# Altium PCB EVB-ANNA-B5x5_Certifi.PcbDoc (part 2 of 6) (continued)
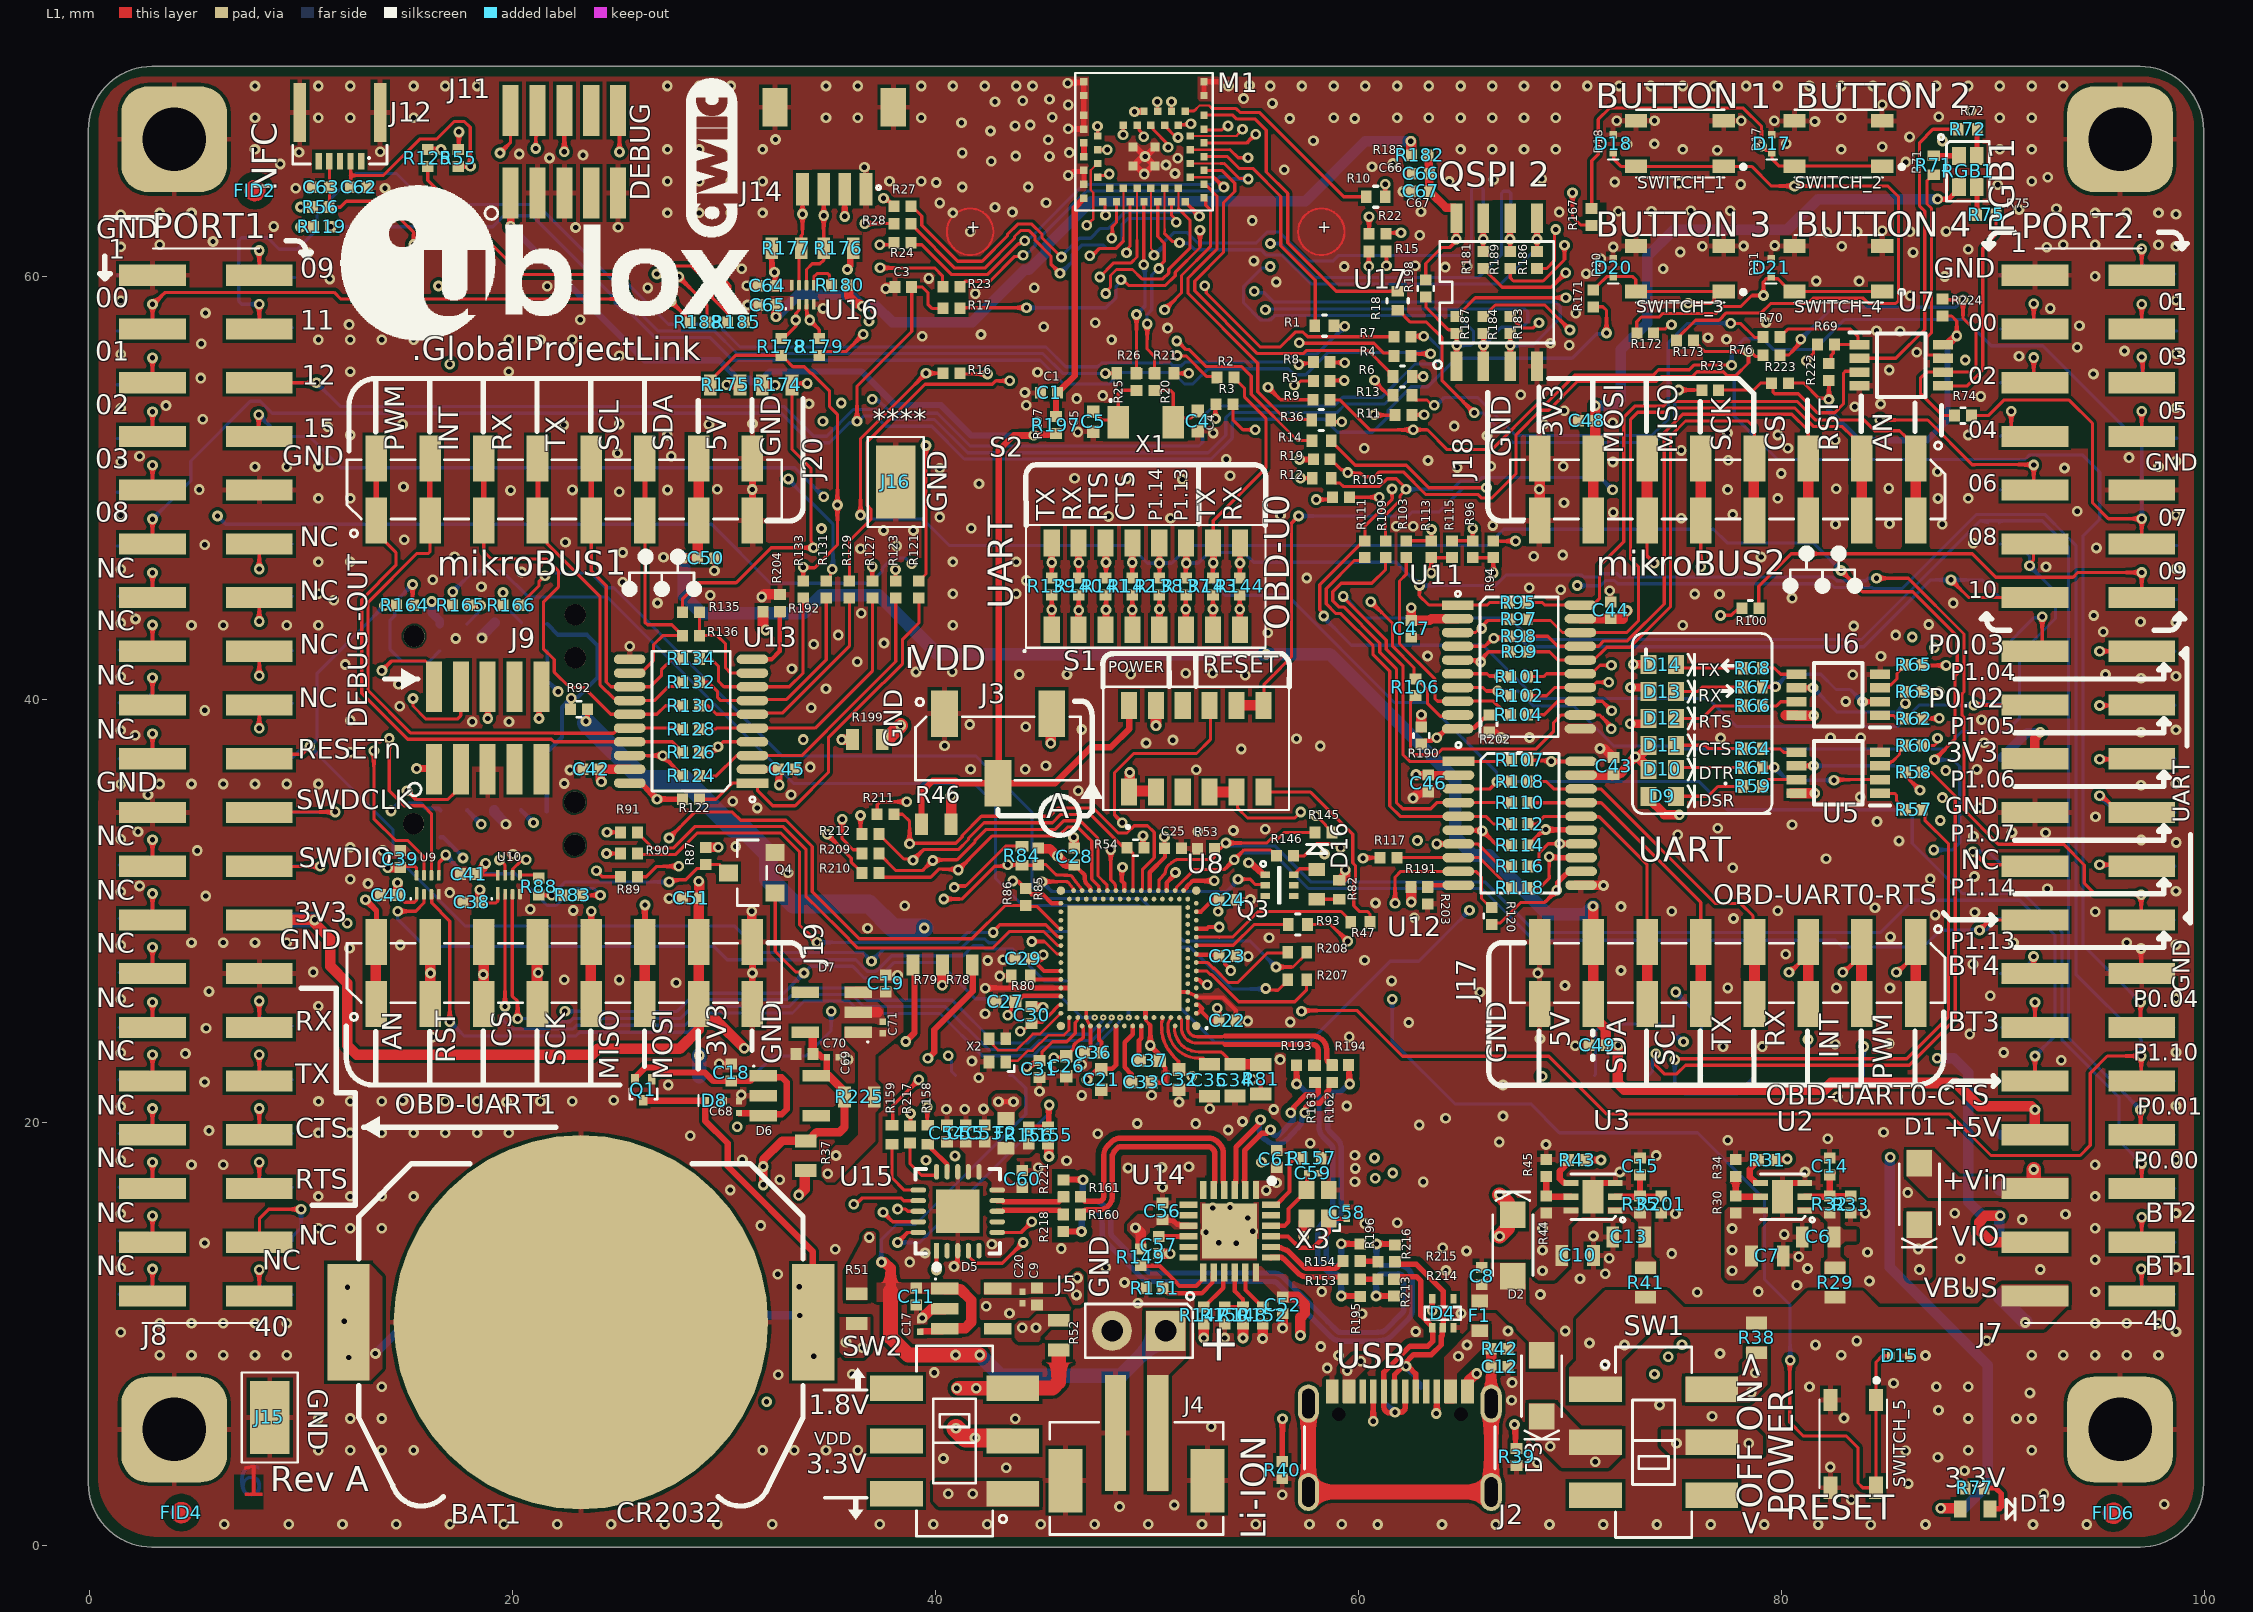
[diagram p0: L1 view]
## Part data (continued)
Q3: "DUAL N-CHANNEL SMALL SIGNAL MOSFET SOT-563-6 PACKAGE", Manufacturer="ON Semiconductor", Manufacturer P/N=NTZD3154NT, Max Operating Temp=155°C, Min Operating Temp=-55°C, Editor=pierpaolo.arban, Env=ROHS, Mfg P/N Datasheet=https://wiki.u-blox.com/bin/view/Generic/Docs/DocumentSummary?index=37718, Mfg P/N Released=Yes, Mfg P/N Split=100, Mfg P/N Status=Active, Part Number=UBXH20-0000083, Part Type=Transistor, Perferred=PREF, Permitted Use="Support Products", RefDes=Q, Release Data=2023-01-26T11:57:34, Released by=matej.budin, UBX Wiki=https://wiki.u-blox.com/bin/view/Operations/PartDetails?index=37715
Q4: "N-CHANNEL 25V HEXFET SOT23 25V 5.8A", Manufacturer="IR International Rectifier", Manufacturer P/N=IRFML8244TRPBF, Max Current=5.8A, Max Operating Temp=125°C, Max Voltage=25V, Min Operating Temp=-55°C, Editor=martin.kessel, Env=ROHS, Mfg P/N Datasheet=https://wiki.u-blox.com/bin/view/Generic/Docs/DocumentSummary?index=20559, Mfg P/N Released=No, Mfg P/N Split=100, Mfg P/N Status=Active, Part Number=UBXH20-0000036, Part Type=Transistor, Perferred=PREF, Permitted Use="Internal Use", RefDes=Q, UBX Wiki=https://wiki.u-blox.com/bin/view/Operations/PartDetails?index=20556
R1 R6: "RES THICK FILM CHIP 0402 330R 5% 63mW", Case/Package=0x0y, Manufacturer=KOA, Manufacturer P/N=RK73B1ETTP331J, Max Operating Temp=125°C, Max Power=63mW, Min Operating Temp=-55°C, Tolerance=5%, Editor=daniel.hurni, Env=ROHS, Mfg P/N Datasheet=https://wiki.u-blox.com/bin/view/Generic/Docs/DocumentSummary?index=4543, Mfg P/N Released=Yes, Mfg P/N Split=100, Mfg P/N Status=Active, Part Number=UBXH18-0008037, Part Type=Resistor, Perferred=PREF, Permitted Use="Volume Products", RefDes=R, Release Data=2009-12-01T17:14:36, Released by=doris.zahnd, Size=0402, UBX Wiki=https://wiki.u-blox.com/bin/view/Operations/PartDetails?index=6922
R2 R3 R4 R5 R7 R8 R9 R11 R15 R16 R17 R19 R22 R23 R24 R27 R28 R30 R32 R44 R45 R55 R56 R57 R58 R60 R62 R63 R65 R69 R70 R73 R74 R76 R83 R88 R89 R90 R91 R92 R94 R95 R96 R97 R98 R99 R100 R101 R102 R103 R104 R105 R106 R107 R108 R109 R110 R111 R112 R113 R114 R115 R116 R117 R118 R119 R120 R121 R122 R123 R124 R125 R126 R127 R128 R129 R130 R131 R132 R133 R134 R135 R136 R155 R156 R162 R163 R164 R165 R166 R167 R171 R172 R173 R178 R179 R180 R181 R183 R184 R185 R186 R187 R188 R189 R190 R191 R192 R197 R201 R202 R203 R204 R217: "RES THICK FILM CHIP 0402 0R 0 100mW", Manufacturer=KOA, Manufacturer 2=YAGEO, Manufacturer P/N=RK73Z1ETTP, Manufacturer P/N 2=2322_705_91001_L, Max Power=100mW, Tolerance=0, Editor=charlotte.biber, Env=ROHS, Mfg P/N Released=Yes, Mfg P/N Released 2=Yes, Mfg P/N Split=100, Mfg P/N Split 2=0, Mfg P/N Status=NRND, Mfg P/N Status 2=NRND, Part Number=UBXH18-0003002, Part Type=Resistor, Perferred=PREF, Permitted Use="Volume Products", RefDes=R, Release Data="2012-06-05 09:49:55.978616", Released by=peter.mueller, Size=0402, UBX Wiki=https://wiki.u-blox.com/bin/view/Operations/PartDetails?index=6611
R10 R18: "RES THICK FILM CHIP 0402 330R 5% 63mW", Manufacturer=KOA, Manufacturer P/N=RK73B1ETTP331J, Max Operating Temp=125°C, Max Power=63mW, Min Operating Temp=-55°C, Tolerance=5%, Editor=daniel.hurni, Env=ROHS, Mfg P/N Datasheet=https://wiki.u-blox.com/bin/view/Generic/Docs/DocumentSummary?index=4543, Mfg P/N Released=Yes, Mfg P/N Split=100, Mfg P/N Status=Active, Part Number=UBXH18-0008037, Part Type=Resistor, Perferred=PREF, Permitted Use="Volume Products", RefDes=R, Release Data=2009-12-01T17:14:36, Released by=doris.zahnd, Size=0402, UBX Wiki=https://wiki.u-blox.com/bin/view/Operations/PartDetails?index=6922
R12 R13 R14 R20 R21 R25 R26 R33 R34 R35 R36 R137 R138 R139 R140 R141 R142 R143 R144 R145 R146 R153 R154 R160 R161 R182 R193 R194 R195 R196 R209 R210 R211 R212 R213 R214 R215 R216 R218 R221: "RES THICK FILM CHIP 0402 0R 0 100mW", Manufacturer=KOA, Manufacturer 2=YAGEO, Manufacturer P/N=RK73Z1ETTD, Manufacturer P/N 2=2322_705_91001_L, Max Power=100mW, Tolerance=0, Editor=charlotte.biber, Env=ROHS, Mfg P/N Released=Yes, Mfg P/N Released 2=Yes, Mfg P/N Split=100, Mfg P/N Split 2=0, Mfg P/N Status=NRND, Part Number=UBXH18-0003002, Part Type=Resistor, Perferred=PREF, Permitted Use="Volume Products", RefDes=R, Released by=peter.mueller, Size=0402, UBX Wiki=https://wiki.u-blox.com/bin/view/Operations/PartDetails?index=6611
  R12 R13 R14 R21 R26 R33 R34 R35 R36: Mfg P/N Status 2=Obsolete, Release Data=2012-06-05T09:49:55
  R20 R25 R137 R138 R139 R140 R141 R142 R143 R144 R145 R146 R153 R154 R160 R161 R182 R193 R194 R195 R196 R209 R210 R211 R212 R213 R214 R215 R216 R218 R221: Mfg P/N Status 2=NRND, Release Data="2012-06-05 09:49:55.978616"
R29 R37 R38 R41 R46 R51 R52 R78 R79 R81 R225: "RES THICK FILM CHIP 0603 0R 0 100mW", Manufacturer=YAGEO, Manufacturer P/N=RC0603JR-070RL, Max Power=100mW, Tolerance=0, Editor=martin.frauchiger, Env=ROHS, Mfg P/N Released=Yes, Mfg P/N Split=100, Mfg P/N Status=Active, Part Number=UBXH18-0003001, Part Type=Resistor, Perferred=PREF, Permitted Use="Volume Products", RefDes=R, Release Data=2005-07-14T10:55:51, Released by=martin.frauchiger, Size=0603, UBX Wiki=https://wiki.u-blox.com/bin/view/Operations/PartDetails?index=6609
R31 R53 R54 R198 R222 R223 R224: "RES THICK FILM CHIP 0402 100K 1% 63mW", Case/Package=0x0y, Manufacturer=KOA, Manufacturer 2=YAGEO, Manufacturer 3=ROHM, Manufacturer P/N=RK73H1ETTP1003F, Manufacturer P/N 2=RC0402FR-07100KL, Manufacturer P/N 3=MCR01MZPF1003, Max Power=63mW, Tolerance=1%, Editor=dario.antonaz, Env=ROHS, Mfg P/N Datasheet=https://wiki.u-blox.com/bin/view/Generic/Docs/DocumentSummary?index=8222, Mfg P/N Datasheet 2=https://wiki.u-blox.com/bin/view/Generic/Docs/DocumentSummary?index=29373, Mfg P/N Datasheet 3=https://wiki.u-blox.com/bin/view/Generic/Docs/DocumentSummary?index=8186, Mfg P/N Released=Yes, Mfg P/N Released 2=Yes, Mfg P/N Released 3=Yes, Mfg P/N Split=100, Mfg P/N Split 2=0, Mfg P/N Split 3=0, Mfg P/N Status=Active, Mfg P/N Status 2=Active, Mfg P/N Status 3=Obsolete, Part Number=UBXH18-0000005, Part Type=Resistor, Perferred=N/A, Permitted Use="Volume Products", RefDes=R, Release Data=2009-11-30T11:05:22, Released by=sandro.sestan, Size=0402, UBX Wiki=https://wiki.u-blox.com/bin/view/Operations/PartDetails?index=8114
R39 R40: "RES THICK FILM CHIP 0402 5K1 5% 100mW", Manufacturer=Panasonic, Manufacturer P/N=ERJ-2GEJ512X, Max Power=100mW, Tolerance=5%, Editor=alvaro.nussbaum, Env=ROHS, Mfg P/N Released=No, Mfg P/N Split=100, Mfg P/N Status=Active, Part Number=UBXH18-0008066, Part Type=Resistor, Perferred=NONPREF, Permitted Use="Internal Use", RefDes=R, Release Data=2016-02-11T15:22:01, Released by=roland.rust, Size=0402, UBX Wiki=https://wiki.u-blox.com/bin/view/Operations/PartDetails?index=6972
R42: "Resistor 10k ohm 1% 1/16W, 0402", Manufacturer 1="Samsung Electro-Mechanics America, Inc", Manufacturer 2="Hong Kong Resistors Manufactory", Manufacturer Part Number 1=RC1005F103CS, Manufacturer Part Number 2=RCT0210KFLF, Max Operating Temp=155, Min Operating Temp=-55, Part Name="RES SMD 10K OHM 1% 1/16W 0402", Power=1/16W, Supplier Part Number 1=1276-3431-1-ND, Tolerance="+/- 1%", Voltage=N/A, Height=0.4mm, Item Phase="In Production", Part Number=180-00024, Pins=2, Revision=0E, Size=0402, Supplier 1=Digi-Key, Supplier 2=None, Supplier Part Number 2=None, UBX Code=None, Use in new designs=Yes
R43 R85 R86 R87 R148 R149 R150 R151 R152: "RES THICK FILM CHIP 0402 100K 1% 63mW", Manufacturer=KOA, Manufacturer 2=ROHM, Manufacturer P/N=RK73H1ETTP1003F, Manufacturer P/N 2=MCR01MZPF1003, Max Power=63mW, Tolerance=1%, Editor=dario.antonaz, Env=ROHS, Mfg P/N Datasheet=https://wiki.u-blox.com/bin/view/Generic/Docs/DocumentSummary?index=8222, Mfg P/N Datasheet 2=https://wiki.u-blox.com/bin/view/Generic/Docs/DocumentSummary?index=8186, Mfg P/N Released=Yes, Mfg P/N Released 2=Yes, Mfg P/N Split=100, Mfg P/N Split 2=0, Mfg P/N Status=Active, Mfg P/N Status 2=Obsolete, Part Number=UBXH18-0000005, Part Type=Resistor, Perferred=N/A, Permitted Use="Volume Products", RefDes=R, Release Data=2009-11-30T11:05:22, Released by=sandro.sestan, Size=0402, UBX Wiki=https://wiki.u-blox.com/bin/view/Operations/PartDetails?index=8114
R47 R93 R207 R208: "RES THICK FILM CHIP 0402 150R 5% 63mW", Case/Package=0x0y, Manufacturer=KOA, Manufacturer P/N=RK73B1ETTP151J, Max Operating Temp=125°C, Max Power=63mW, Min Operating Temp=-55°C, Tolerance=5%, Editor=par.hakansson, Env=ROHS, Mfg P/N Datasheet=https://wiki.u-blox.com/bin/view/Generic/Docs/DocumentSummary?index=4543, Mfg P/N Released=Yes, Mfg P/N Split=100, Mfg P/N Status=Active, Part Number=UBXH18-0008029, Part Type=Resistor, Perferred=PREF, Permitted Use="Volume Products", RefDes=R, Release Data=2015-11-05T14:33:12, Released by=adam.johansson, Size=0402, UBX Wiki=https://wiki.u-blox.com/bin/view/Operations/PartDetails?index=6908
R59 R61 R64 R66 R67 R68 R72 R77: "RES THICK FILM CHIP 0402 470R 5% 100mW", Manufacturer=ROHM, Manufacturer 2=KOA, Manufacturer 3=YAGEO, Manufacturer P/N=MCR01MZPJ471, Manufacturer P/N 2=RK73B1ETTP471J, Manufacturer P/N 3=2322_705_87471_L, Max Power=100mW, Tolerance=5%, Editor=roland.rust, Env=ROHS, Mfg P/N Released=Yes, Mfg P/N Released 2=Yes, Mfg P/N Released 3=Yes, Mfg P/N Split=100, Mfg P/N Split 2=0, Mfg P/N Split 3=0, Mfg P/N Status=Obsolete, Mfg P/N Status 2=Active, Mfg P/N Status 3=Obsolete, Part Number=UBXH18-0008041, Part Type=Resistor, Perferred=PREF, Permitted Use="Volume Products", RefDes=R, Release Data=2009-04-24T14:36:39, Released by=roland.rust, Size=0402, UBX Wiki=https://wiki.u-blox.com/bin/view/Operations/PartDetails?index=6926
R71: "RES THICK FILM CHIP 0402 750R 5% 100mW", Manufacturer=Panasonic, Manufacturer P/N=ERJ2GEJ751X, Max Power=100mW, Tolerance=5%, Editor=jaka.bevk, Env=ROHS, Mfg P/N Datasheet=https://wiki.u-blox.com/bin/view/Generic/Docs/DocumentSummary?index=21267, Mfg P/N Released=Yes, Mfg P/N Split=100, Mfg P/N Status=Active, Part Number=UBXH18-0008046, Part Type=Resistor, Perferred=PREF, Permitted Use="Volume Products", RefDes=R, Release Data=2014-10-03T09:31:33, Released by=erian.bezhani, Size=0402, UBX Wiki=https://wiki.u-blox.com/bin/view/Operations/PartDetails?index=6935
R75: "RES THICK FILM CHIP 0402 360R 1% 63mW", Manufacturer=KOA, Manufacturer P/N=RK73H1ETTP3600F, Max Power=63mW, Tolerance=1%, Automotive=Yes, Editor=michael.hein, Env=ROHS, Mfg P/N Datasheet=https://wiki.u-blox.com/bin/view/Generic/Docs/DocumentSummary?index=8222, Mfg P/N Released=Yes, Mfg P/N Split=100, Mfg P/N Status=Active, Part Number=UBXH18-0000216, Part Type=Resistor, Perferred=PREF, Permitted Use="Volume Products", RefDes=R, Release Data=2015-10-02T11:55:45, Released by=vasyl.dykyy, Size=0402, UBX Wiki=https://wiki.u-blox.com/bin/view/Operations/PartDetails?index=23306
R80: "RES THICK FILM CHIP 0402 47R 5% 100mW", Manufacturer=YAGEO, Manufacturer P/N=2322_705_87479_L, Manufacturer P/N 2=RC0402JR-0747RL, Max Power=100mW, Tolerance=5%, Editor=roland.rust, Env=ROHS, Manufacturer 2=YAGEO, Mfg P/N Datasheet 2=https://wiki.u-blox.com/bin/view/Generic/Docs/DocumentSummary?index=8163, Mfg P/N Released=Yes, Mfg P/N Released 2=No, Mfg P/N Split=100, Mfg P/N Split 2=0, Mfg P/N Status=Obsolete, Mfg P/N Status 2=Active, Part Number=UBXH18-0008017, Part Type=Resistor, Perferred=PREF, Permitted Use="Volume Products", RefDes=R, Release Data=2007-01-03T17:15:04, Released by=roland.rust, Size=0402, UBX Wiki=https://wiki.u-blox.com/bin/view/Operations/PartDetails?index=6891
R82: "RES THICK FILM CHIP 0402 470R 5% 100mW", Manufacturer=KOA, Manufacturer 2=ROHM, Manufacturer 3=YAGEO, Manufacturer P/N=RK73B1ETTP471J, Manufacturer P/N 2=MCR01MZPJ471, Manufacturer P/N 3=2322_705_87471_L, Max Power=100mW, Tolerance=5%, Editor=roland.rust, Env=ROHS, Mfg P/N Released=Yes, Mfg P/N Released 2=Yes, Mfg P/N Released 3=Yes, Mfg P/N Split=100, Mfg P/N Split 2=0, Mfg P/N Split 3=0, Mfg P/N Status=Active, Mfg P/N Status 2=Obsolete, Mfg P/N Status 3=Obsolete, Part Number=UBXH18-0008041, Part Type=Resistor, Perferred=PREF, Permitted Use="Volume Products", RefDes=R, Release Data=2009-04-24T14:36:39, Released by=roland.rust, Size=0402, UBX Wiki=https://wiki.u-blox.com/bin/view/Operations/PartDetails?index=6926
R84: library part UBXH18-0003002, "RES THICK FILM CHIP 0402 0R 0 100mW"
R147: "RES THICK FILM CHIP 0402 10K 1% 63mW", Manufacturer=KOA, Manufacturer P/N=RK73H1ETTP1002F, Max Power=63mW, Tolerance=1%, Editor=erian.bezhani, Env=ROHS, Mfg P/N Datasheet=https://wiki.u-blox.com/bin/view/Generic/Docs/DocumentSummary?index=8222, Mfg P/N Released=Yes, Mfg P/N Split=100, Mfg P/N Status=Active, Part Number=UBXH18-0000065, Part Type=Resistor, Perferred=PREF, Permitted Use="Volume Products", RefDes=R, Release Data="2012-06-08 18:02:21.521517", Released by=massimo.vlacci, Size=0402, UBX Wiki=https://wiki.u-blox.com/bin/view/Operations/PartDetails?index=16837
R157: "RES THICK FILM CHIP 0402 12K 1% 62.5mW", Manufacturer=YAGEO, Manufacturer P/N=RT0402FRE0712KL, Max Operating Temp=155°C, Max Power=62.5mW, Min Operating Temp=-55°C, Tolerance=1%, Editor=pierpaolo.arban, Env=ROHS, Mfg P/N Datasheet=https://wiki.u-blox.com/bin/view/Generic/Docs/DocumentSummary?index=19276, Mfg P/N Released=Yes, Mfg P/N Split=100, Mfg P/N Status=Active, Part Number=UBXH18-0000133, Part Type=Resistor, Perferred=PREF, Permitted Use="Volume Products", RefDes=R, Release Data=2019-11-07T09:33:25, Released by=dario.antonaz, Size=0402, UBX Wiki=https://wiki.u-blox.com/bin/view/Operations/PartDetails?index=20511
R158 R159: "RES THICK FILM CHIP 0402 0R 0 100mW", Case/Package=0x0y, Manufacturer=KOA, Manufacturer 2=YAGEO, Manufacturer P/N=RK73Z1ETTD, Manufacturer P/N 2=2322_705_91001_L, Max Power=100mW, Tolerance=0, Editor=charlotte.biber, Env=ROHS, Mfg P/N Released=Yes, Mfg P/N Released 2=Yes, Mfg P/N Split=100, Mfg P/N Split 2=0, Mfg P/N Status=NRND, Mfg P/N Status 2=Obsolete, Part Number=UBXH18-0003002, Part Type=Resistor, Perferred=PREF, Permitted Use="Volume Products", RefDes=R, Release Data=2012-06-05T09:49:55, Released by=peter.mueller, Size=0402, UBX Wiki=https://wiki.u-blox.com/bin/view/Operations/PartDetails?index=6611
R174 R175 R176 R177: "RES THICK FILM CHIP 0603 2K2 5% 100mW", Manufacturer=YAGEO, Manufacturer P/N=2322_702_81222_L, Manufacturer P/N 2=RC0603JR-072K2L, Max Power=100mW, Tolerance=5%, Editor=roland.rust, Env=ROHS, Manufacturer 2=YAGEO, Mfg P/N Datasheet 2=https://wiki.u-blox.com/bin/view/Generic/Docs/DocumentSummary?index=8241, Mfg P/N Released=Yes, Mfg P/N Released 2=Yes, Mfg P/N Split=100, Mfg P/N Split 2=0, Mfg P/N Status=Obsolete, Mfg P/N Status 2=Active, Part Number=UBXH18-0007081, Part Type=Resistor, Perferred=PREF, Permitted Use="Volume Products", RefDes=R, Release Data=2007-04-26T15:06:13, Released by=roland.rust, Size=0603, UBX Wiki=https://wiki.u-blox.com/bin/view/Operations/PartDetails?index=6711
R199: "RES THICK FILM CHIP 0603 0R 0 100mW", Case/Package=0x0y, Manufacturer=YAGEO, Manufacturer P/N=RC0603JR-070RL, Max Power=100mW, Tolerance=0, Editor=martin.frauchiger, Env=ROHS, Mfg P/N Released=Yes, Mfg P/N Split=100, Mfg P/N Status=Active, Part Number=UBXH18-0003001, Part Type=Resistor, Perferred=PREF, Permitted Use="Volume Products", RefDes=R, Release Data=2005-07-14T10:55:51, Released by=martin.frauchiger, Size=0603, UBX Wiki=https://wiki.u-blox.com/bin/view/Operations/PartDetails?index=6609
RGB1: "LED RGB SMT 0606", Current=20mA, Manufacturer 1="Lite-On Inc", Manufacturer Part Number 1=LTST-C19HE1WT, Max Operating Temp=80, MFG Package=0606, Min Operating Temp=-20, Supplier Part Number 1=160-2162-1-ND, Voltage=None, Body Size="1.6mm x 1.6mm", Height=0.35mm, Item Phase="In Production", Part Name="LED RGB SMT 0606", Part Number=115-00026, Pins=4, Revision=0B, Size=Other, Supplier 1=Digi-Key, Supplier 2=Digi-Key, Supplier Part Number 2=1516-1184-1-ND, UBX Code=None, Use in new designs=Yes
S1: "Switch", Manufacturer_Name=CTS, Mouser Part Number=774-2186LPSTJ, Arrow Part Number=218-6LPSTJ, Arrow Price/Stock=https://www.arrow.com/en/products/218-6lpstj/cts, Datasheet Link=https://www.ctscorp.com/wp-content/uploads/218.pdf, Height=2.7mm, Manufacturer_Part_Number=218-6LPSTJ, Mouser Price/Stock=https://www.mouser.co.uk/ProductDetail/CTS-Electronic-Components/218-6LPSTJ?qs=hDoPxpGr7lflvoQJzlrOfA%3D%3D
S2: library part 218-8LPSTJ, "Switch", Manufacturer_Name=CTS, Mouser Part Number=774-2188LPSTJ, Arrow Part Number=218-8LPSTJ, Arrow Price/Stock=https://www.arrow.com/en/products/218-8lpstj/cts, Datasheet Link=https://www.ctscorp.com/wp-content/uploads/218.pdf, Height=2.7mm, Manufacturer_Part_Number=218-8LPSTJ, Mouser Price/Stock=https://www.mouser.co.uk/ProductDetail/CTS-Electronic-Components/218-8LPSTJ?qs=hDoPxpGr7lfoBDyeqUpd9g%3D%3D
SW1 SW2: "2 WAY ON-ON SUB-MINIATURE SLIDE SWITCH SMD JS SERIES", Manufacturer="C&K Components", Manufacturer P/N=JS202011SCQN, Max Operating Temp=85°C, Min Operating Temp=-40°C, Editor=andre.pick, Env=ROHS, Mfg P/N Datasheet=https://wiki.u-blox.com/bin/view/Generic/Docs/DocumentSummary?index=16625, Mfg P/N Released=Yes, Mfg P/N Split=100, Mfg P/N Status=Active, Part Number=UBXH19-0000050, Part Type=Switch, Perferred=PREF, Permitted Use="Support Products", RefDes=S, Release Data=2022-06-09T16:59:15, Released by=martin.pilik, UBX Wiki=https://wiki.u-blox.com/bin/view/Operations/PartDetails?index=36899
SWITCH_1 SWITCH_2 SWITCH_3 SWITCH_4 SWITCH_5: library part PTS810SJK250SMTRLFS, "Switch", Manufacturer_Name="C & K COMPONENTS", Mouser Part Number=611-PTS810SJK250SMTR, Datasheet Link=https://www.ckswitches.com/media/1476/pts810.pdf, Manufacturer_Part_Number=PTS810SJK250SMTRLFS, Mouser Price/Stock=https://www.mouser.co.uk/ProductDetail/CK/PTS810SJK250SMTRLFS?qs=UxeAxwACbqlfHzoZSrW3%2Fw%3D%3D
TP1 TP2 TP3 TP4 TP5 TP6 TP7 TP8 TP9 TP10 TP11 TP12 TP13 TP14 TP15 TP16 TP17 TP18 TP19 TP20 TP21 TP22 TP23 TP24 TP25 TP26 TP27 TP28 TP29 TP30 TP31 TP32 TP33 TP34 TP35 TP36 TP37 TP38 TP39 TP40 TP41 TP42 TP43 TP44 TP45 TP46 TP47 TP48 TP49 TP50 TP51 TP52 TP53 TP54 TP55 TP56 TP57 TP58 TP59 TP60 TP61 TP62 TP63 TP64 TP65 TP66 TP67 TP68 TP69 TP70 TP71 TP72 TP73 TP74 TP75 TP76 TP77 TP78 TP79 TP80 TP81 TP82 TP83 TP84 TP85 TP86 TP87 TP88 TP89 TP90 TP91 TP92 TP93 TP94 TP95 TP96 TP97 TP98 TP99 TP100 TP101 TP102 TP103 TP104 TP105 TP106 TP107 TP108 TP109 TP110 TP111 TP112 TP113 TP114 TP115 TP116 TP117 TP118 TP119 TP120 TP121 TP122 TP123 TP124 TP125 TP126: "Testpoint, Round 1.0mm Dia", Added By="Jeremy D", Checked By="Paul B", DNP=DNP, Height=0, Part Number=TP10R, Size=1.0mm
  TP1 TP57: Added Date=2015-02-01, Checked Date=2015-02-05
  TP2 TP3 TP4 TP5 TP6 TP7 TP8 TP9 TP10 TP11 TP12 TP13 TP14 TP15 TP16 TP17 TP18 TP19 TP20 TP21 TP22 TP23 TP24 TP25 TP26 TP27 TP28 TP29 TP30 TP31 TP32 TP33 TP34 TP35 TP36 TP37 TP38 TP39 TP40 TP41 TP42 TP43 TP44 TP45 TP46 TP47 TP48 TP49 TP50 TP51 TP52 TP53 TP54 TP55 TP56 TP58 TP59 TP60 TP61 TP62 TP63 TP64 TP65 TP66 TP67 TP68 TP69 TP70 TP71 TP72 TP73 TP74 TP75 TP76 TP77 TP78 TP79 TP80 TP81 TP82 TP83 TP84 TP85 TP86 TP87 TP88 TP89 TP90 TP91 TP92 TP93 TP94 TP95 TP96 TP97 TP98 TP99 TP100 TP101 TP102 TP103 TP104 TP105 TP106 TP107 TP108 TP109 TP110 TP111 TP112 TP113 TP114 TP115 TP116 TP117 TP118 TP119 TP120 TP121 TP122 TP123 TP124 TP125 TP126: Added Date=2/1/2015, Checked Date=2/5/2015
U2: "LDO REGULATOR 1.8V,LOW Iq, WDFNW6 2x2 MM PACKAGE 1200 mA", Case/Package="WDFNW6 2x2", Manufacturer 1="ONSEMI Conductor", Manufacturer Part Number 1=NCV8187AMTW180TAG, Manufacturer Split 1=100, Max Operating Temp=150°C, Max Supply Voltage=5.5V, Maximum Current=1.2A, Min Operating Temp=-40°C, Min Supply Voltage=1.5, Output Voltage=1.8V, Automotive=No, Body Size="2.10mm x 2.10 mm", ComponentLink1Description="Arena Link", ComponentLink1URL=https://app.bom.com/1J3MRFNPJL4CV8H3H3XG, Environmental Grade=RoHS, Height=0.8mm, Mounting Type=SMT, Owner="Hozaifa Abdelgadir", Part Name="LDO REGULATOR 1.8V,LOW Iq, WDFNW6 2x2 MM PACKAGE 1200 mA", Part Number=UBXH43-0000004, Part Phase=Unreleased, Part Status=Non-Preferred, Part Type="Regulator - Linear", Pins=6, Single Source=No, SMT Pitch=0.65mm, Thermal Pad=Yes, Use in new designs=Yes, Volume Use=No
U3: "LDO REGULATOR 3.3V,LOW Iq, WDFNW6 2x2 MM, 0.65P PACKAGE 1200 mA", Case/Package="WDFNW6 2x2", Manufacturer 1="ONSEMI Conductor", Manufacturer Part Number 1=NCV8187AMTW330TAG, Manufacturer Split 1=100, Max Operating Temp=150°C, Max Supply Voltage=5.5V, Maximum Current=1.2A, Min Operating Temp=-40°C, Min Supply Voltage=1.5V, Output Voltage=3.3V, Part Name="LDO REGULATOR  3.3V,LOW Iq, WDFNW6 2x2 MM PACKAGE 1200 mA", Automotive=No, Body Size=2.1mmx2.1mm, ComponentLink1Description="Arena Link", ComponentLink1URL=https://app.bom.com/R9TCH5DF9BU2LY72VT52, Environmental Grade=RoHS, Height=0.8mm, Mounting Type=SMT, Owner="Hozaifa Abdelgadir", Part Number=UBXH43-0000003, Part Phase=Unreleased, Part Revision=1, Part Status=Non-Preferred, Part Type="Regulator - Linear", Pins=6, Single Source=No, SMT Pitch=0.65mm, Thermal Pad=Yes, Use in new designs=Yes, Volume Use=No
U5 U6 U7: "Non-inverting Buffers & Line Drivers 3 Channels /SOT505/TSSOP8 1.65V to 5.5V", Arrow Part Number=74LVC3G07DP,125, Case/Package=TSSOP-8, Manufacturer 1=Nexperia, Manufacturer Part Number 1=74LVC3G07DP, Manufacturer Split 1=100, Max Operating Temp=125°C, Max Supply Voltage=5.5V, Min Operating Temp=-40°C, Min Supply Voltage=1.65, Mouser Part Number=771-74LVC3G07DP-G, Arrow Price/Stock=https://www.arrow.com/en/products/74lvc3g07dp125/nexperia?region=nac, Automotive=No, Body Size="3.9mmx 3.1mm", ComponentLink1Description="Arena Link", ComponentLink1URL=https://app.bom.com/3L5OTHPRLN6EXALGUBPR, Datasheet Link=https://assets.nexperia.com/documents/data-sheet/74LVC3G07.pdf, Driver Type=LED, Environmental Grade=RoHS, Height=0.95mm, Manufacturer_Name=Nexperia, Manufacturer_Part_Number=74LVC3G07DP,125, Mounting Type=SMT, Mouser Price/Stock=https://www.mouser.co.uk/ProductDetail/Nexperia/74LVC3G07DP125?qs=me8TqzrmIYXM25jpSFl3Hg%3D%3D, Owner="Hozaifa Abdelgadir", Part Name="Non-inverting Buffers & Line Drivers 3 Channels /SOT505/TSSOP8 1.65V to 5.5V", Part Number=UBXH06-0000120, Part Phase=Unreleased, Part Status=Preferred, Part Type=Driver, Pins=8, Single Source=No, SMT Pitch=0.65mm, Thermal Pad=No, Use in new designs=Yes, Volume Use=No
U8: "BT5/802.15.4 SOC NORDIC NRF5340 2.4GHZ", Manufacturer="Nordic Semiconductor", Manufacturer P/N=nRF5340-QKAA, Max Operating Temp=105°C, Min Operating Temp=-40°C, ComponentLink1Description=Datasheet, ComponentLink2Description="Supplier link", Editor=cam.nichols, Env=ROHS, Mfg P/N Datasheet=https://wiki.u-blox.com/bin/view/Generic/Docs/DocumentSummary?index=32915, Mfg P/N Released=Yes, Mfg P/N Split=100, Mfg P/N Status=Active, Part Number=UBXH12-0000420, Part Type=RF-ASIC, Perferred=PREF, Permitted Use="Volume Products", RefDes=U, Release Data=2021-02-15T23:44:47, Released by=eric.moog, Single Source=Yes, UBX Wiki=https://wiki.u-blox.com/bin/view/Operations/PartDetails?index=32860
U9 U10 U16: "TXS0102 2-BIT BIDIRECTIONAL VOLTAGE-LEVEL TRANSLATOR X2SON-8 TXS0102DQE 5.5V", Current=None, Manufacturer="Texas Instruments", Manufacturer P/N=TXS0102DQE, Manufacturer Part Number 1=TXS0102DQET, Manufacturer Part Number 2=TXS0102DQER, Max Operating Temp=85°C, Max Voltage=5.5V, MFG Package=DSBGA-8, Min Operating Temp=-40°C, Voltage=N/A, Body Size="1.9mm x 0.9mm", Editor=eric.moog, Env=ROHS, Height=0.65mm, Item Phase="In Production", Manufacturer 1="Texas Instruments", Manufacturer 2="Texas Instruments", Mfg P/N Datasheet=https://wiki.u-blox.com/bin/view/Generic/Docs/DocumentSummary?index=22177, Mfg P/N Released=No, Mfg P/N Split=100, Mfg P/N Status=Active, Part Name=TXS0102DQE, Part Number=UBXH10-0000108, Part Type=Interface, Perferred=PREF, Permitted Use="Support Products", Pins=8, RefDes=U, Revision=0A, Single Source=Yes, UBX Code=None, UBX Wiki=https://wiki.u-blox.com/bin/view/Operations/PartDetails?index=39049, Use in new designs=Yes
U11 U12 U13: "TXS0108 8-BIT BIDIRECTIONAL VOLTAGE-LEVEL TRANSLATOR", Manufacturer="Texas Instruments", Manufacturer P/N=TXS0108EPWR, Max Operating Temp=85°C, Min Operating Temp=-40°C, Editor=roland.rust, Env=GREEN, Mfg P/N Datasheet=https://wiki.u-blox.com/bin/view/Generic/Docs/DocumentSummary?index=22748, Mfg P/N Released=Yes, Mfg P/N Split=100, Mfg P/N Status=Active, Part Number=UBXH10-0000036, Part Type=Interface, Perferred=PREF, Permitted Use="Support Products", RefDes=U, Release Data=2015-06-17T17:08:49, Released by=adam.johansson, UBX Wiki=https://wiki.u-blox.com/bin/view/Operations/PartDetails?index=22749
U14: library part USB2422-I_MJ, "Integrated Circuit", Arrow Part Number=USB2422-I/MJ, Manufacturer_Name=Microchip, Mouser Part Number=579-USB2422-I/MJ, Arrow Price/Stock=https://www.arrow.com/en/products/usb2422-imj/microchip-technology?region=nac, Datasheet Link=https://datasheet.datasheetarchive.com/originals/distributors/DKDS-15/280029.pdf, Height=1mm, Manufacturer_Part_Number=USB2422-I/MJ, Mouser Price/Stock=https://www.mouser.co.uk/ProductDetail/Microchip-Technology-Atmel/USB2422-I-MJ?qs=eTPcRhULBzzm1uvzgv8YJg%3D%3D
U15: "FTDI USB TO SERIAL FULL UART INTERFACE QFN20", Manufacturer="FTDI Future Technology Devices International", Manufacturer P/N=FT231XQ-R, Max Operating Temp=85°C, Min Operating Temp=-40°C, Editor=adam.johansson, Env=ROHS, Mfg P/N Datasheet=https://wiki.u-blox.com/bin/view/Generic/Docs/DocumentSummary?index=33707, Mfg P/N Released=No, Mfg P/N Split=100, Mfg P/N Status=Active, Part Number=UBXH10-0000054, Part Type=Interface, Perferred=PREF, Permitted Use="Support Products", RefDes=U, UBX Wiki=https://wiki.u-blox.com/bin/view/Operations/PartDetails?index=27258
U17: "MACRONIX MX25R6435FM2IL0 64MBIT SERIAL QUAD I/O SPI FLASH MEMORY 1.65 - 3.6V 8-SOP (200mil)", Case/Package=8-SOP, Manufacturer 1="Macronix International Co.,Ltd.", Manufacturer P/N=MX25R6435FM2IL0, Manufacturer Split 1=100, Max Operating Temp=85°C, Max Supply Voltage=3.6, Min Operating Temp=-40°C, Min Supply Voltage=1.65, Automotive=No, Body Size="5.38mm x 5.33mm", ComponentLink1Description="Arena Link", ComponentLink1URL=https://app.bom.com/7P9SXLTVPRAI1EPKZK38, Environmental Grade=RoHS, Height=2.16, Interface=QSPI, Manufacturer Part Number 1=MX25R6435FM2IL0, Memory Size=64MB, Memory Speed=80MHz, Memory Type="NOR FLASH", Mounting Type=SMT, Owner="Hozaifa Abdelgadir", Part Name="MACRONIX MX25R6435FM2IL0 64MBIT SERIAL QUAD I/O SPI FLASH MEMORY 1.65 - 3.6V 8-SOP (200mil)", Part Number=UBXH13-0000149, Part Phase=Unreleased, Part Revision=1, Part Status=Preferred, Part Type=Memory, Pins=8, Single Source=No, SMT Pitch=1.27mm, Thermal Pad=No, Use in new designs=Yes, Volume Use=No
X1: "CRYSTAL CL=9PF EPSON FC-135 NI/SN TERMINATION 32.768KHz", Frequency=32.768KHz, Frequency Tolerance=20PPM, Manufacturer P/N="FC-135 32.7680KA-AC", Part Name="CRYSTAL CL=9PF EPSON FC-135 NI/SN TERMINATION", Automotive=No, ComponentLink1Description="Arena Link", ComponentLink1URL=https://app.bom.com/6O8RWKSUOQ9H0EE2EEBI, Environmental Grade=RoHS, Owner="Andreas Thiel", Part Number=UBXH21-0008104, Part Phase=Unreleased, Part Status=Non-Preferred, Part Type=Crystal, Use in new designs=No, Volume Use=Yes
X2: "CRYSTAL 32MHZ CL=8PF 1.6X1.2 MM 32.000MHZ +/-10PPM@25C+/-20PPM@-40/+85+/-1PPMAGEING", Manufacturer="TXC corporation", Manufacturer P/N=X1E0002510166, Max Operating Temp=85°C, Min Operating Temp=-40°C, Tolerance=+/-10PPM@25C+/-20PPM@-40/+85+/-1PPMAGEING, Editor=yaqin.chen, Env=ROHS, Mfg P/N Datasheet=https://wiki.u-blox.com/bin/view/Generic/Docs/DocumentSummary?index=37320, Mfg P/N Released=Yes, Mfg P/N Split=100, Mfg P/N Status=Active, Part Number=UBXH21-0000240, Part Type=Crystal, Perferred=PREF, Permitted Use="Volume Products", RefDes=Y, Release Data=2022-08-10T19:45:48, Released by=cam.nichols, UBX Wiki=https://wiki.u-blox.com/bin/view/Operations/PartDetails?index=37290
X3: "CRYSTAL CL=8PF EPSON 2.0X1.6MM 24.000MHZ 30PPM", Manufacturer="Seiko Epson Corporation", Manufacturer P/N=Q22FA1280046700, Manufacturer P/N 2=Q22FA1280039800, Max Operating Temp=85°C, Min Operating Temp=-40°C, Tolerance=30PPM, Critical=Yes, Editor=adam.johansson, Env=ROHS, Manufacturer 2="Seiko Epson Corporation", Mfg P/N Datasheet=https://wiki.u-blox.com/bin/view/Generic/Docs/DocumentSummary?index=23017, Mfg P/N Datasheet 2=https://wiki.u-blox.com/bin/view/Generic/Docs/DocumentSummary?index=21965, Mfg P/N Released=Yes, Mfg P/N Released 2=Obsolete, Mfg P/N Split=100, Mfg P/N Split 2=0, Mfg P/N Status=Active, Mfg P/N Status 2=Obsolete, Part Number=UBXH21-0000066, Part Type=Crystal, Perferred=PREF, Permitted Use="Volume Products", RefDes=Y, Release Data=2015-11-11T10:35:48, Released by=olof.viklund, UBX Wiki=https://wiki.u-blox.com/bin/view/Operations/PartDetails?index=21963

## Free pads (board coordinates)
  rrect50% 5x5 hole 3: 5(4,5.5) 5(4,66.5) 5(96,5.5) 5(96,66.5)

## Via types
v1: diameter 0.508, hole 0.254, L1 to L6, 1119 vias
v2: diameter 0.5, hole 0.25, L1 to L6, 348 vias
v3: diameter 0.3, hole 0.1, L1 to L6, tented top, 5 vias

## Nets (pads, with @x,y where several pads share a name; then routed paths per layer and width w, separated by ;. In a path a pad name is that pad's centre, name@x,y a point inside that pad or via, vN(x,y) a via of type N, cw(c..) or ccw(c..) an arc to the next point about the centre after c; other vN are vias at no path point)
1V8: C7.1 R30.2 R31.2 R52.2 SW2.3 U2.6 | length 10.6
  L1 w0.3: R31.2@79.713,18.237 79.737,18.262 80.246,18.262 v1(80.27,18.286)
  L1 w0.7: v2@41.076,7.445 v2(41.92,7.445) 43.136,7.445 SW2.3@43.144,7.453 ; SW2.3@43.644,7.453 45.529,7.453 45.822,7.746 R52.2@45.822,9.057
  L3 w0.3: v1(77.656,15.002) 77.656,15.646 80.27,18.26 v1(80.27,18.286)
  other v1: 77.656,13.005 77.656,13.97
  other v2: 41,7.447 73.99,8.117 74.639,8.932 75.287,9.508
5V: C8.2 D2.A D3.A F1.2
+3V3: C10.1 C42.1 C43.1 C44.1 C48.1 C51.1 C52.1 C56.1 C61.1 C64.1 D9.2 D10.2 D11.2 D12.2 D13.2 D14.2 D19.2 F2.1 J7.19 J8.26 J14.2 J18.7 J19.7 R43.2 R44.2 R51.2 R78.1 R82.1 R147.2 R148.2 R149.2 R176.2 R177.2 RGB1.4 TP63.1 TP110.1 U3.6 U11.19 U12.19 U13.19 U14.1 U14.9 U14.18 U16.8 | length 224.3
  L1 w0.15: v1(42.974,20.998) v1(43.683,20.998) ; D14.2@73.685,41.671 D14.2@73.7,41.656
  L1 w0.25: R177.2@32.246,61.343 32.241,61.348 32.241,60.34 32.374,60.207 v1(32.38,60.207) 32.429,60.158 C64.1@32.429,59.572 C64.1@32.453,59.596 ; v1(35.704,62.852) J14.2@35.704,64.138 ; C56.1@50.604,15.416 50.639,15.381 51.227,15.381 51.407,15.201 51.499,15.201 51.549,15.151 51.921,15.151 U14.9@51.946,15.126 ; R147.2@52.676,10.486 R147.2@52.679,10.488 ; v1(87.373,63.67) 87.898,63.67 88.38,64.152 RGB1.4@88.38,64.252 ; D19.2@88.425,1.77 D19.2@88.451,1.744
  L1 w0.3: v1(35.828,60.34) 35.828,60.396 35.956,60.524 35.956,61.193 R176.2@36.106,61.343 ; v1(39.635,23.044) 39.635,23.045 39.93,23.341 39.93,24.397 41.749,26.216 41.749,27.429 R78.1@41.727,27.452 ; R43.2@70.733,18.237 v1(71.457,18.237)
  L1 w0.4: v1(72.845,38.864) 73.448,38.864 D12.2@73.7,39.116 ; v1(72.856,40.578) 73.508,40.578 D13.2@73.7,40.386 ; v1(72.988,41.671) D14.2@73.685,41.671
  L1 w0.45: v1(24.196,36.128) 24.196,36.144 24.151,36.189 24.151,36.674 C42.1@24.116,36.709 25.01,36.709 25.011,36.711 U13.19@25.536,36.711 ; U11.19@70.483,43.828 71.918,43.828 C44.1@71.922,43.832 ; U12.19@70.518,36.434 71.958,36.434 C43.1@71.987,36.405 ; C43.1@72.074,36.44 72.074,36.471 72.101,36.498 72.351,36.498 72.709,36.855 72.709,36.925 v1@73.078,37.293 ; v1(73.078,37.309) 73.089,37.298 73.181,37.298 73.7,36.778 D10.2@73.7,36.703 ; v1@73.249,37.32 73.7,37.771 D11.2@73.7,37.846 ; D9.2@73.7,35.433 73.7,35.358 74.447,34.611 74.447,34.566 v2(75.166,34.566) ; J7.19@91.975,37.21 91.975,38.198 92.222,38.445 v1(92.222,38.46)
  L1 w0.5: J8.26@7.971,29.591 v1(10.638,29.591) 10.639,29.589 10.639,29.43 11.371,28.698 11.371,27.409 12.186,26.595 12.186,23.664 12.634,23.216 23.764,23.216 24.038,23.49 27.889,23.49 28.796,24.397 J19.7@28.796,25.616 ; J8.26@8.024,29.591 J8.26@8.025,29.59 ; v1(28.796,31.416) 28.796,31.414 28.826,31.384 28.826,30.617 C51.1@28.836,30.607 28.826,30.597 28.826,30.41 28.807,30.391 28.807,28.557 J19.7@28.796,28.546 J19.7@28.796,25.616 ; v1(30.952,23.52) 29.659,24.813 29.056,24.813 28.796,25.073 J19.7@28.796,25.616 ; v1@49.453,15.035 49.451,15.032 49.69,14.793 R149.2@49.69,14.04 ; v1(52.679,9.822) R147.2@52.679,10.488 ; v1(54.531,9.822) R148.2@54.531,10.488 ; C52.1@56.41,11.771 56.42,11.761 57.09,11.761 57.446,11.405 57.446,10.991 57.248,10.793 57.248,9.948 v1(57.247,9.947) ; R82.1@59.08,31.46 59.13,31.46 59.361,31.691 v1(59.363,31.954) v1(59.363,31.954) ; J18.7@71.093,48.476 J18.7@71.093,51.227 ; J18.7@71.172,51.392 71.18,51.399 71.18,53.178 C48.1@71.19,53.188 v1(71.19,53.904) ; C48.1@71.19,53.173 C48.1@71.2,53.163 ; C44.1@71.922,43.832 72.474,43.832 72.481,43.84 ; 72.488,43.847 72.481,43.84 ; v1(72.689,44.216) 72.481,44.008 72.481,43.84 ; v1(87.525,1.77) D19.2@88.425,1.77
  L3 w0.5: v1(55.632,16.802) 55.634,16.802 55.999,17.166 56.111,17.166 v1(56.113,17.168)
  L3 w0.7: v1@52.695,9.81 52.923,10.039 52.923,11.005 56.267,14.348 56.267,15.674 55.632,16.309 v1(55.632,16.802)
  L3 w0.9: v1(32.38,60.207) v1@35.695,60.207 ; v1(34.671,53.169) 35.828,54.326 35.828,56.821 35.676,56.973 35.676,58.959 35.828,59.11 v1(35.828,60.34) ; v1@35.704,60.464 v1(35.704,62.852)
  L4 w0.5: v1@30.98,23.526 33.24,23.526 34.713,22.053 36.324,22.053 ; v1(36.855,14.58) 36.853,14.58 36.802,14.63 35.773,14.63 35.476,14.927 35.476,16.417 35.48,16.421 35.48,16.51 36.324,17.354 36.324,22.053 ; v1(39.635,23.044) 39.633,23.042 37.313,23.042 36.324,22.053 ; v1@39.635,23.041 39.637,23.041 40.422,22.256 40.422,22.234 41.208,21.448 42.523,21.448 v1(42.974,20.998) ; v1(55.632,16.802) 55.634,16.804 55.746,16.804 56.111,17.168 v1(56.113,17.168) 56.113,18.358 57.437,19.681 60.761,19.681 63.22,22.14 63.22,27.92 61.962,29.178 61.08,29.178 59.363,30.895 v1(59.363,31.954)
  L4 w0.7: v1(42.974,20.998) v1(43.683,20.998)
  L4 w0.9: v1(24.196,36.128) 25.883,34.442 27.397,34.442 27.876,34.92 28.8,34.92 ; v1(28.796,31.416) 28.8,31.421 28.8,34.92 ; v1(35.534,54.032) v1(34.671,53.169) 34.671,50.817 33.192,49.338 33.192,46.986 32.881,46.676 32.881,42.471 30.624,40.214 30.624,36.744 28.8,34.92
  L6 w0.45: TP63.1@90.4,37.246 91.603,38.449 92.211,38.449 v1(92.222,38.46)
  L6 w0.5: v1@71.193,53.906 72.089,53.906 72.382,54.199 72.382,56.544 73.647,57.809 73.647,60.961 74.917,62.231 80.279,62.231 81.718,63.67 v1(87.373,63.67) ; v1@85.118,18.363 85.118,13.162 89.745,8.535 89.745,2.887 88.628,1.77 v1(87.525,1.77)
  L6 w0.7: TP110.1@9.546,29.591 v1(10.638,29.591)
  other v1: 68.693,13.005 68.693,13.97 68.693,15.002 49.45,15.036 85.129,18.374
+5V: C49.2 C50.1 J7.33 J17.7 J20.7 R38.2 R81.1 SW1.4 TP77.1 | length 132.7
  L1 w0.15: C50.1@28.724,46.695 C50.1@28.734,46.685
  L1 w0.2: v1(54.962,22.05) 55.17,22.05 55.372,21.848 R81.1@55.372,21.358
  L1 w0.5: v1(28.102,46.695) C50.1@28.724,46.695 ; C50.1@28.734,46.685 28.744,46.695 J20.7@28.744,47.442 ; J20.7@28.796,48.476 J20.7@28.796,51.406 ; v1@71.096,30.239 J17.7@71.096,28.546 J17.7@71.096,25.616 71.096,25.031 71.681,24.446 C49.2@71.681,23.667 ; C49.2@71.691,23.657 C49.2@71.681,23.667 ; v1@72.26,23.651 72.26,21.863 72.553,21.57 82.042,21.57 82.352,21.88 88.24,21.88 89.34,20.78 91.808,20.78 91.973,20.616 v1(91.975,20.616) J7.33@91.975,19.458 ; v1@72.276,23.667 C49.2@71.681,23.667
  L1 w0.7: J20.7@28.796,48.43 J20.7@28.802,48.424
  L3 w0.2: v1(54.962,22.05) 55.43,22.519 55.43,25.756 55.074,26.112 55.074,26.579 55.537,27.042 55.537,27.558 56.591,28.612 56.591,33.738 56.059,34.271 56.059,41.723 v1(55.632,42.15)
  L3 w0.7: v1(72.278,23.669) 72.278,22.87 75.92,19.228 75.92,13.674 78.753,10.841 v1(78.753,8.183) 78.753,7.438 v1(78.56,7.245)
  L6 w0.5: TP77.1@90.401,19.43 91.475,19.43 91.975,19.93 v1(91.975,20.616)
  L6 w0.6: v1(28.102,46.695) 28.102,44.924 28.936,44.09 33.744,44.09 34.591,44.937 37.314,44.937 40.101,42.15 v1(55.632,42.15) 58.64,42.15 64.574,36.216 64.574,33.496 65.436,32.634 66.169,32.634 68.943,29.86 70.71,29.86 v1(71.083,30.234)
+Vin: D1.A J7.35 TP79.1 | length 3.1
  L1 w0.7: v1(91.919,17.792) 91.919,17.006 J7.35@91.975,16.95
  L6 w0.7: TP79.1@90.346,16.891 91.509,16.891 91.919,17.301 v1(91.919,17.792)
ANT_INT: M1.5 M1.6 | length 0.6
  L1 w0.288: M1.6@47.01,65.678 M1.5@47.01,66.328
ANT_RF: 